# Altium PCB Surf5_R100.PcbDoc
Units mm, origin at the board's own origin, x right, y up, seen from the top; angles counter-clockwise.
Board outline 75 x 21 mm, 4 copper layers (Top Layer, Internal Plane 1 (Gnd), Internal Plane 2 (Vcc), Bottom Layer), stack 0.603 mm thick; 69 components, 77 nets, 316 pads, 145 vias.
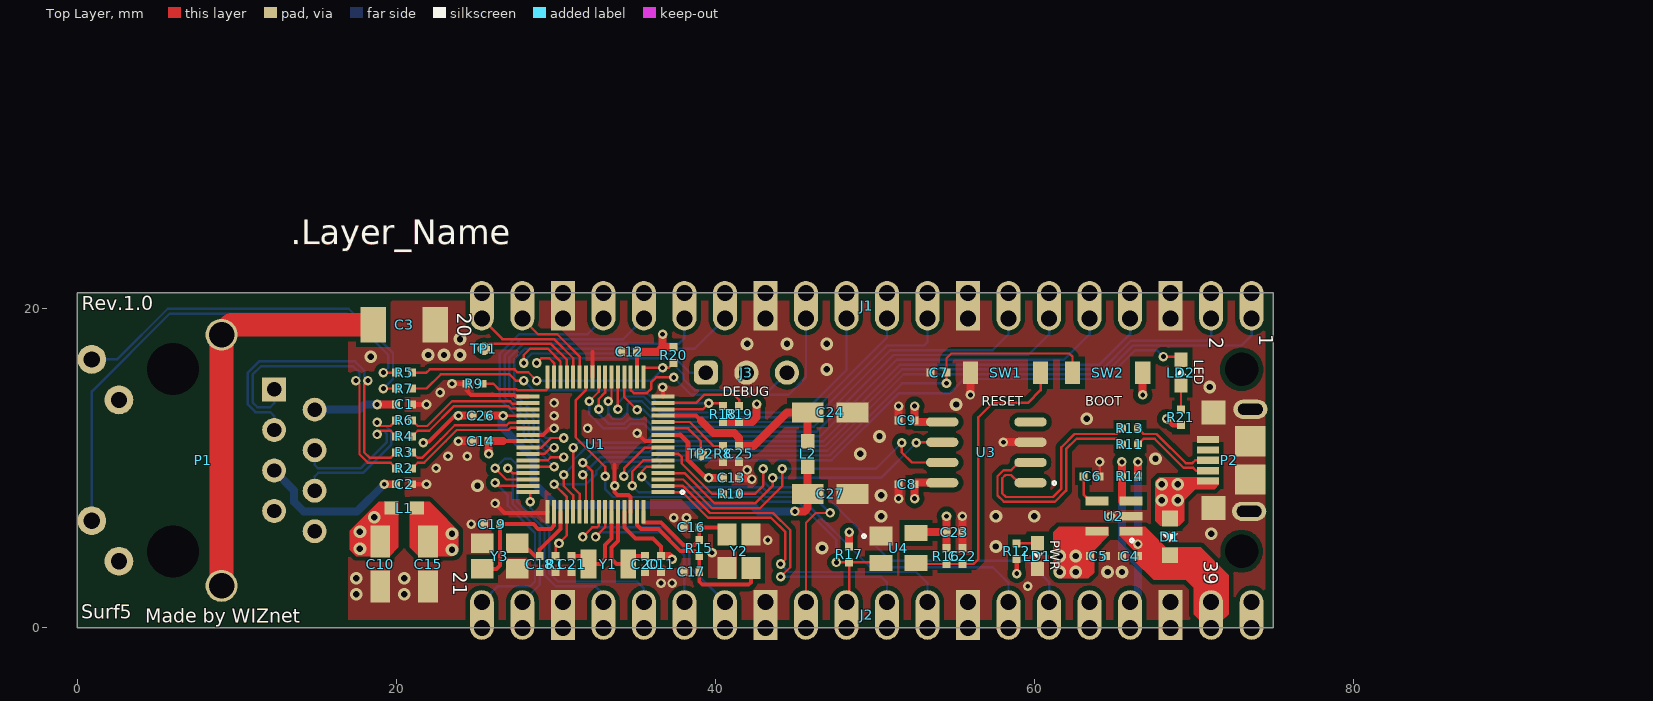
[diagram p0: Top Layer view]
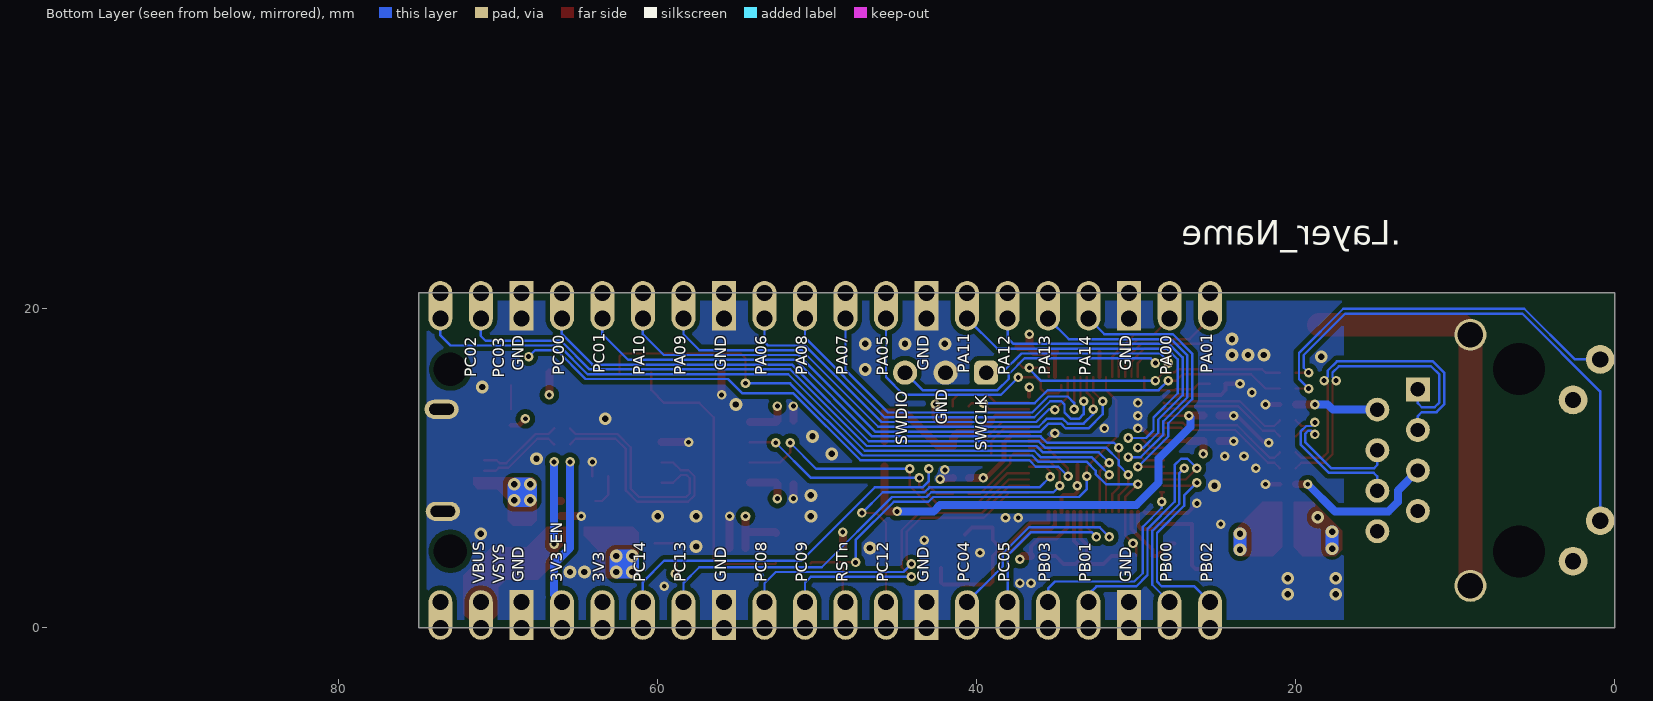
[diagram p1: Bottom Layer view, seen from below]
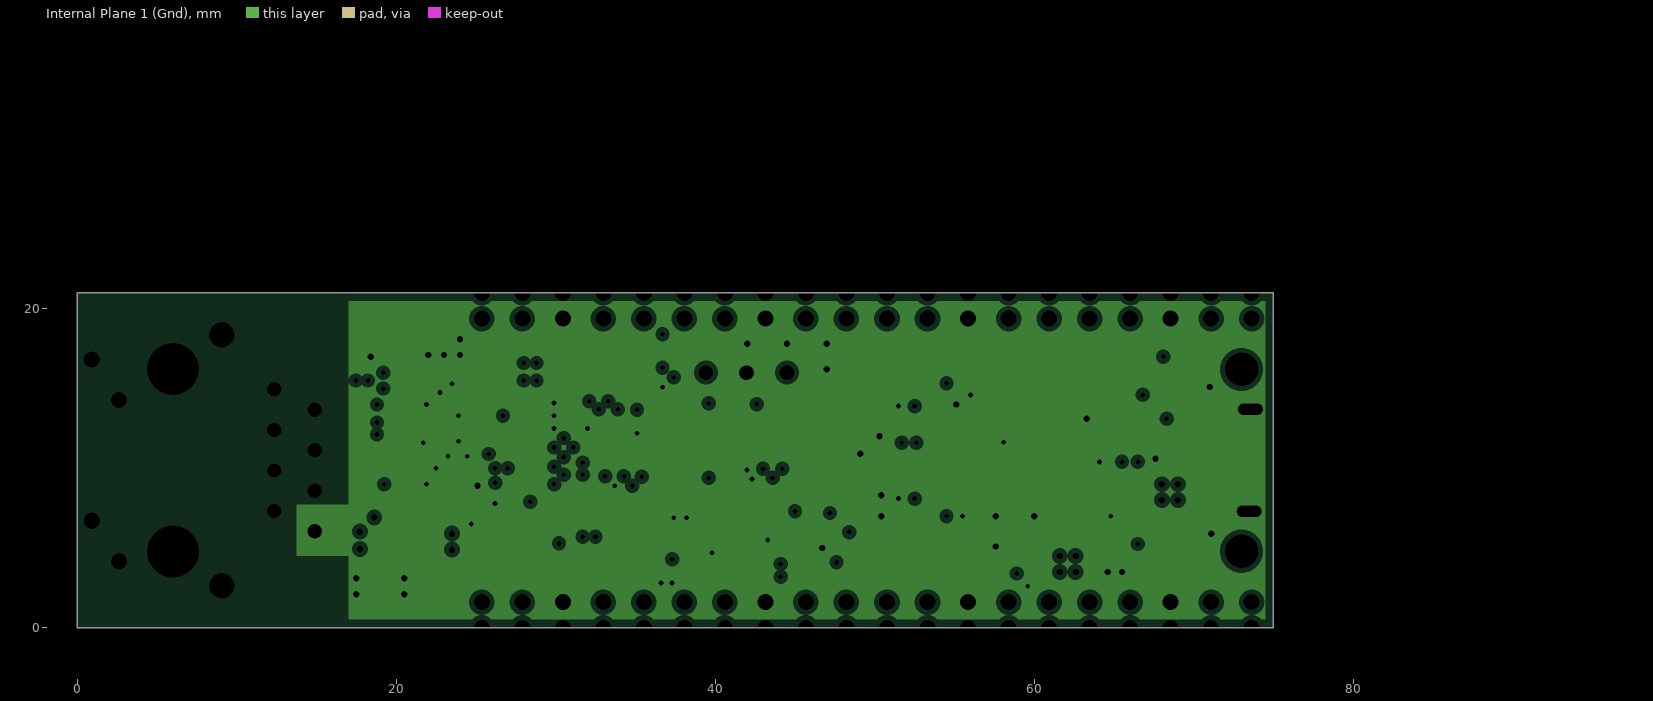
[diagram p2: Internal Plane 1 (Gnd), clearances drawn from the general rule]
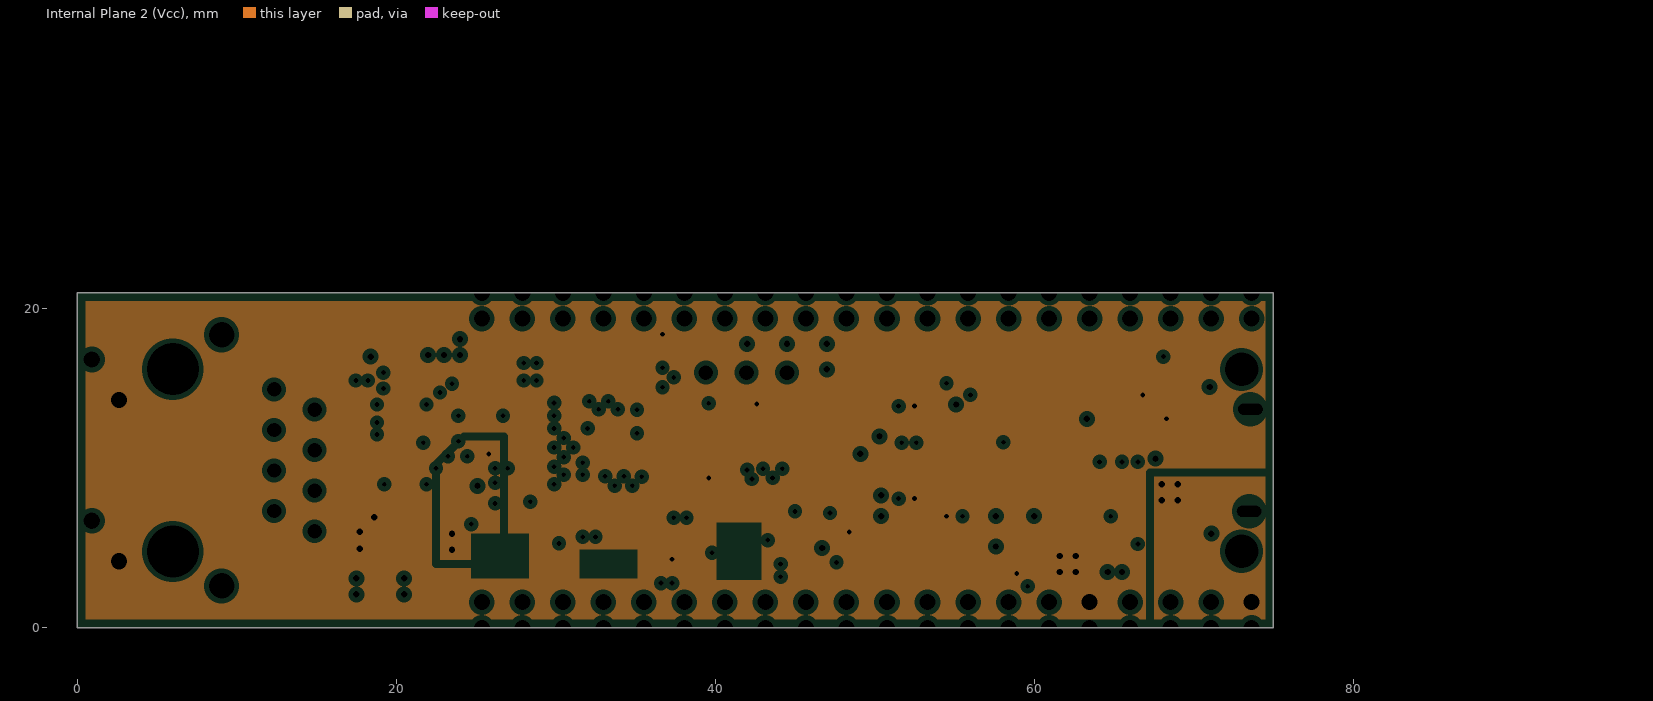
[diagram p3: Internal Plane 2 (Vcc), clearances drawn from the general rule]
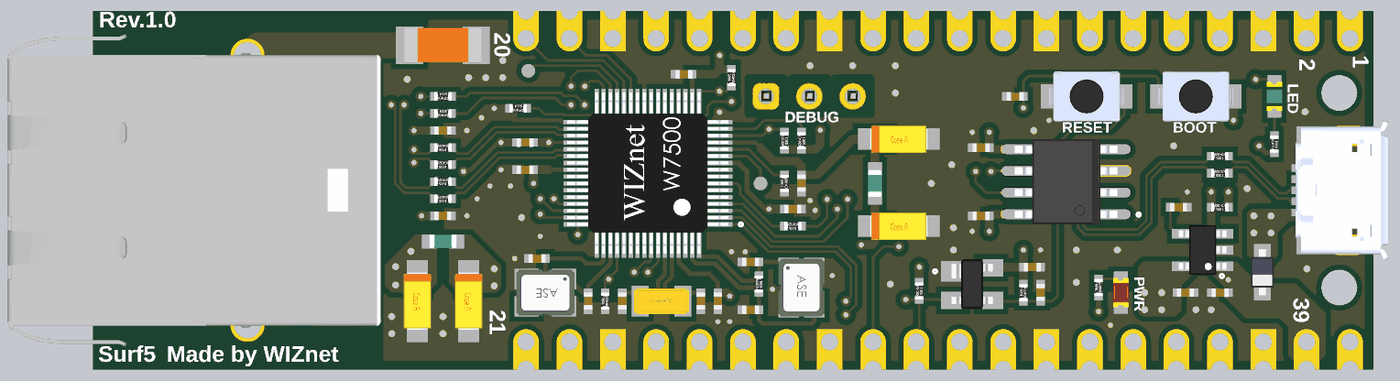
[diagram p4: 3D render of the assembled board from above, using the file's embedded part models]

## Layer stack, top to bottom
Top Solder: solder mask 0.0102, Solder Resist, Dk 3.5
Top Layer: signal copper 0.0356
Dielectric 1: prepreg 0.0711, PP-006, Dk 4.1
Internal Plane 1 (Gnd): plane copper 0.035, net GND
Dielectric1: prepreg 0.32, FR-4, Dk 4.8
Internal Plane 2 (Vcc): plane copper 0.035, net VDD_3.3V
Dielectric 2: prepreg 0.0711, PP-006, Dk 4.1
Bottom Layer: signal copper 0.0356
Bottom Solder: solder mask 0.0102, Solder Resist, Dk 3.5

## Board outline
0,0 75,0 75,21 0,21

## Design rules (kind name [scope] priority, off if disabled: settings)
BoardOutlineClearance [All] p1: gap=0.5 ignorepadtopadclearanceinfootprint=FALSE
Clearance [All] p1: gap=0.15 ignorepadtopadclearanceinfootprint=FALSE except(0.2: Arc-Hole Track-Hole SMDPad-Hole THPad-Hole Via-Hole Fill-Hole Poly-Hole Region-Hole Text-Hole; 0.3: Arc-Poly Track-Poly SMDPad-Poly THPad-Poly Via-Poly Fill-Poly Poly-Poly Poly-Region Poly-Text)
DiffPairsRouting [All] p1: maxlimit=0.15 minlimit=0.15 mostfreqgap=0.15 toplayer_minwidth=0.15 toplayer_maxwidth=0.15 toplayer_prefwidth=0.15 bottomlayer_minwidth=0.15 bottomlayer_maxwidth=0.15 bottomlayer_prefwidth=0.15 maxuncoupledlength=15.24
HoleSize [All] p1: absolutevalues=TRUE maxlimit=4.064 minlimit=0.025 maxpercent=80.000 minpercent=20.000
PlaneClearance [All] p1: clearance=0.3
PlaneConnect [All] p1: planeconnectstyle=Direct reliefexpansion=0.508 reliefentries=4 reliefconductorwidth=0.254 reliefairgap=0.254
PolygonConnect [All] p1: connectstyle=Direct reliefconductorwidth=0.6 reliefentries=4 polygonreliefangle="45 Angle" airgapwidth=0.35
RoutingVias [All] p1: holewidth=0.3 width=0.6 viastyle="Through Hole" minholewidth=0.25 minwidth=0.5 maxholewidth=0.5 maxwidth=0.8
SolderMaskExpansion [All] p1: expansion=0 istentingtop=FALSE
Width [All] p1: maxlimit=3 minlimit=0.1 preferedwidth=0.15
26 further rules are at their usual default settings.

## Classes and differential pairs
differential pair NewDifferentialPair1: +NetP2_2 -NetP2_3
differential pair USB_D: +USB_D_P -USB_D_N
differential pair MDI_T: +MDI_T_P -MDI_T_N
differential pair MDI_R: +MDI_R_P -MDI_R_N
differential pair MDI0_T: +MDI0_T_P -MDI0_T_N
differential pair MDI0_R: +MDI0_R_P -MDI0_R_N

## Components (designator, comment, footprint, x,y, rotation, side; value= is the part's Value field where it differs from the comment)
C1 "0.1uF" CAP-0402 20.5,14 r180 top
C2 "0.1uF" CAP-0402 20.5,9 r180 top
C3 "1nF/2kV" CAP-1808 20.5,19 r180 top
C4 "1uF" CAP-0402 66,4.5 r0 top
C5 "1uF" CAP-0402 64,4.5 r180 top
C6 "0.1uF" CAP-0402 63.6,9.5 r180 top
C7 "0.1uF" CAP-0402 54,16 r0 top
C8 "0.1uF" CAP-0402 52,9 r0 top
C9 "0.1uF" CAP-0402 52,13 r0 top
C10 "10uF/16V" "CAP-A SIZE" 19,4 r270 top
C11 "0.1uF" CAP-0402 36.6,4 r90 top
C12 "0.1uF" CAP-0402 34.6,17.3 r0 top
C13 "0.1uF" CAP-0402 41,9.4 r180 top
C14 "0.1uF" CAP-0402 25.3,11.7 r0 top
C15 "10uF/16V" "CAP-A SIZE" 22,4 r270 top
C16 "30pF" CAP-0402 38.5,6.3 r0 top
C17 "30pF" CAP-0402 38.5,3.5 r0 top
C18 "27pF" CAP-0402 29,4 r90 top
C19 "27pF" CAP-0402 26,6.5 r0 top
C20 "NC" CAP-0402 35.6,4 r90 top
C21 "NC" CAP-0402 31,4 r90 top
C22 "0.1uF" CAP-0402 55.5,4.5 r90 top
C23 "0.1uF" CAP-0402 55,6 r0 top
C24 "10uF/16V" "CAP-A SIZE" 47.2,13.5 r0 top
C25 "0.1uF" CAP-0402 41.5,10.9 r90 top
C26 "0.1uF" CAP-0402 25.3,13.3 r0 top
C27 "10uF/16V" "CAP-A SIZE" 47.2,8.4 r0 top
D1 "BAT60A" SOD-323(1-C,2-A) 68.5,5.7 r90 top
J1 "2.54mm 1x20 Pin Header DIP" IDC-1X20 73.63,19.39 r180 top locked
J2 "2.54mm 1x20 Pin Header DIP" IDC-1X20 25.37,1.61 r0 top locked
J3 "2.54mm 1x3 Pin Header DIP" IDC-1X3 39.42,16 r0 top
L1 "HH-1M1608-121JT" IND-0603 20.5,7.5 r0 top
L2 "HH-1M1608-121JT" IND-0603 45.8,10.9 r270 top
LD1 "Red" LED-0603-RED 60.2,4.5 r270 top locked
LD2 "Green" LED-0603-GREEN 69.2,16 r90 top locked
P1 "J1B1211CCD" RJ45-J1B1211CCD -1.8,10.5 r270 top locked
P2 "Micro USB" "MICRO 5P B DBX 6.4" 75,10.5 r180 top locked
R1 "4.7K" RES-0402 30,4 r90 top
R2 "3.3R" RES-0402 20.5,10 r180 top
R3 "3.3R" RES-0402 20.5,11 r180 top
R4 "3.3R" RES-0402 20.5,12 r180 top
R5 "330R" RES-0402 20.5,16 r0 top
R6 "3.3R" RES-0402 20.5,13 r180 top
R7 "330R" RES-0402 20.5,15 r0 top
R8 "4.7K" RES-0402 40.5,10.9 r90 top
R9 "6.19K/1%" RES-0402 24.9,15.3 r0 top
R10 "NC" RES-0402 41,8.4 r180 top
R11 "1R" RES-0402 66,11.5 r180 top
R12 "470R" RES-0402 58.9,4.8 r90 top
R13 "1R" RES-0402 66,12.5 r180 top
R14 "100K" RES-0402 66,9.5 r180 top
R15 "1M" RES-0402 39,5 r270 top
R16 "4.7K" RES-0402 54.5,4.5 r90 top
R17 "4.7K" RES-0402 48.4,4.6 r270 top
R18 "5.1K" RES-0402 40.5,13.4 r270 top
R19 "5.1K" RES-0402 41.5,13.4 r270 top
R20 "5.1K" RES-0402 37.4,17.1 r90 top
R21 "330R" RES-0402 69.2,13.2 r270 top
SW1 "PTS820" 1185A 58.2,16 r0 top locked
SW2 "PTS820" 1185A 64.6,16 r180 top locked
TP1 "TPS" TPS 25.5,17.5 r90 top
TP2 "TPS" TPS 39.1,10.9 r90 top
U1 "W7500P" W7500-LQFP64 32.5,11.5 r180 top
U2 "LM8805SF5-33V" SOT-23-5L 65,7 r180 top
U3 "USB to Uart" CH340N 57,11 r90 top
U4 "MIC811SUY" SOT-143 51.5,5 r270 top
Y1 "32.768KHZ / NC" 3215_XTAL 33.3,4 r180 top
Y2 "12MHz" OSC-TZ1067B 41.5,4.8 r270 top
Y3 "25MHz" OSC-82J0626 26.5,4.5 r180 top

## Footprints (in the part's own frame and the unit in brackets; to place one, negate y for a bottom-side part, rotate by r counter-clockwise, add the part's x,y. Pads: shape width x height; smd on the part's side, far side on the other; paste and mask are expansions set on the pad)
1185A [mm]
  rect 0.95x1.4 smd: 1(-2.2,0) 2(2.2,0)
  body extent -2.18,-1.45 2.18,1.45, height 1.7
3215_XTAL [mm]
  rect 1x1.8 smd paste+0 mask+0: 1(-1.25,0) 2(1.25,0)
  body extent -1.6,-0.75 1.6,0.75, height 0.9
CAP-0402 [mm]
  rect 0.5x0.5 smd: 1(-0.5,0) 2(0.5,0)
  body extent -0.48,-0.25 0.52,0.25, height 0.6
CAP-1808 [mm] "Ceramic CAP 1808(4520)"
  rect 1.6x2.2 smd: 1(-1.95,0) 2(1.95,0)
  body extent -2.25,-1.02 2.25,1.01, height 2
"CAP-A SIZE" [mm] "Tantal CAP A Size EIA/IECQ 3216"
  rect 2x1.25 smd: 1(-1.4,0) 2(1.4,0)
  body extent -1.7,-0.8 1.7,0.8, height 1.75
CH340N [mm]
  oval 0.574x2.036 smd paste+0 mask+0.051: 1(-1.905,-2.768) 2(-0.635,-2.768) 3(0.635,-2.768) 4(1.905,-2.768) 5(1.905,2.768) 6(0.635,2.768) 7(-0.635,2.768) 8(-1.905,2.768)
  body extent -2.5,-3.01 2.5,3.01, height 1.75
IDC-1X3 [mil]
  rrect50% 60x60 hole 36: 1(0,0)
  round 60 hole 36: 2(100,0) 3(200,0)
  body extent -49,-49 251,51, height 336
IDC-1X20 [mm]
  oval 1.5x2.5 hole 1 copper offset 0,-0.5: 1(0,0) 2(2.54,0) 4(7.62,0) 5(10.16,0) 6(12.7,0) 7(15.24,0) 9(20.32,0) 10(22.86,0) 11(25.4,0) 12(27.94,0) 14(33.02,0) 15(35.56,0) 16(38.1,0) 17(40.64,0) 19(45.72,0) 20(48.26,0)
  oval 1.5x2.5 hole 1 copper offset 0,0.5: 1(0,-1.61) 2(2.54,-1.61) 4(7.62,-1.61) 5(10.16,-1.61) 6(12.7,-1.61) 7(15.24,-1.61) 9(20.32,-1.61) 10(22.86,-1.61) 11(25.4,-1.61) 12(27.94,-1.61) 14(33.02,-1.61) 15(35.56,-1.61) 16(38.1,-1.61) 17(40.64,-1.61) 19(45.72,-1.61) 20(48.26,-1.61)
  rect 1.5x2.5 hole 1 copper offset 0,0.5: 3(5.08,-1.61) 8(17.78,-1.61) 13(30.48,-1.61) 18(43.18,-1.61)
  rect 1.5x2.5 hole 1 copper offset 0,-0.5: 3(5.08,0) 8(17.78,0) 13(30.48,0) 18(43.18,0)
IND-0603 [mm] "Inductor 0603(1608)"
  rect 0.89x0.82 smd: 1(-0.8,0) 2(0.8,0)
  body extent -0.8,-0.4 0.8,0.4, height 0.95
LED-0603-GREEN [mm] "LED-0603-GREEN"
  rect 0.89x0.82 smd: 1(-0.8,0) 2(0.8,0)
  body extent -0.85,-0.45 0.85,0.45, height 0.9
LED-0603-RED [mm] "LED-0603-RED"
  rect 0.89x0.82 smd: 1(-0.8,0) 2(0.8,0)
  body extent -0.85,-0.45 0.85,0.45, height 0.9
"MICRO 5P B DBX 6.4" [mm]
  rect 1.38x0.45 smd: 1(4.11,1.3) 2(4.11,0.65) 3(4.11,0) 4(4.11,-0.65) 5(4.11,-1.3)
  oval 2.15x1.2 hole 0.7 slot 1.55 at 0 deg: 6(1.524,3.2) 7(1.45,-3.2)
  rect 1.9x1.9 smd: 8(1.45,1.2) 9(1.45,-1.2)
  rect 1.5x1.5 smd: 10(3.75,-3) 11(3.75,3)
  body extent -0.88,-4.1 4.55,4.1, height 2.68
OSC-82J0626 [mm]
  rect 1.4x1.2 smd: 1(-1.1,-0.8) 2(1.1,-0.8) 3(1.1,0.8) 4(-1.1,0.8)
  body extent -1.7,-1.35 1.7,1.35, height 1.06
OSC-TZ1067B [mm]
  rect 1.4x1.2 smd: 1(-1.05,-0.75) 2(1.05,-0.75) 3(1.05,0.75) 4(-1.05,0.75)
  body extent -1.7,-1.35 1.7,1.35, height 1.06
RES-0402 [mm]
  rect 0.5x0.5 smd: 1(-0.5,0) 2(0.5,0)
  body extent -0.5,-0.25 0.5,0.25, height 0.35
RJ45-J1B1211CCD [mm]
  rect 1.5x1.5 hole 0.9: 1(-4.445,14.15)
  round 1.5 hole 0.9: 2(-3.175,16.69) 3(-1.905,14.15) 4(-0.635,16.69) 5(0.635,14.15) 6(1.905,16.69) 7(3.175,14.15) 8(4.445,16.69)
  round 1.8 hole 1.02: 9(-6.325,2.72) 10(-3.785,4.42) 11(3.785,2.72) 12(6.325,4.42)
  round 2 hole 1.6: S1(-7.875,10.85) S2(7.875,10.85)
  round 1.8 hole 3.25: ""(-5.715,7.8) ""(5.715,7.8)
  body extent -9.16,-3.2 9.16,18.64, height 15.09
SOD-323(1-C,2-A) [mm]
  rect 1x1 smd: 1(-1.15,0) 2(1.15,0)
  body extent -1.35,-0.67 1.35,0.68, height 0.79
SOT-23-5L [mm]
  rect 1.45x0.55 smd: 1(-1.075,0.95) 2(-1.075,0) 3(-1.075,-0.95) 4(1.075,-0.95) 5(1.075,0.95)
  body extent -1.4,-1.45 1.4,1.45, height 1.45
SOT-143 [mm]
  rect 1.2x1.44 smd: 1(-0.75,-1.1)
  rect 1x1.44 smd: 2(0.95,-1.1) 3(0.95,1.1) 4(-0.95,1.1)
  body extent -1.46,-1.21 1.46,1.21, height 1
TPS [mm]
  round 0.8 smd: 1(0,0)
W7500-LQFP64 [mm] "WIZnet ARM Cortex-M0, LQFP64, Pitch 0.40mm"
  rect 1.45x0.25 smd: 1(-4.225,3) 2(-4.225,2.6) 3(-4.225,2.2) 4(-4.225,1.8) 5(-4.225,1.4) 6(-4.225,1) 7(-4.225,0.6) 8(-4.225,0.2) 9(-4.225,-0.2) 10(-4.225,-0.6) 11(-4.225,-1) 12(-4.225,-1.4) 13(-4.225,-1.8) 14(-4.225,-2.2) 15(-4.225,-2.6) 16(-4.225,-3) 33(4.225,-3) 34(4.225,-2.6) 35(4.225,-2.2) 36(4.225,-1.8) 37(4.225,-1.4) 38(4.225,-1) 39(4.225,-0.6) 40(4.225,-0.2) 41(4.225,0.2) 42(4.225,0.6) 43(4.225,1) 44(4.225,1.4) 45(4.225,1.8) 46(4.225,2.2) 47(4.225,2.6) 48(4.225,3)
  rect 0.25x1.45 smd: 17(-3,-4.225) 18(-2.6,-4.225) 19(-2.2,-4.225) 20(-1.8,-4.225) 21(-1.4,-4.225) 22(-1,-4.225) 23(-0.6,-4.225) 24(-0.2,-4.225) 25(0.2,-4.225) 26(0.6,-4.225) 27(1,-4.225) 28(1.4,-4.225) 29(1.8,-4.225) 30(2.2,-4.225) 31(2.6,-4.225) 32(3,-4.225) 49(3,4.225) 50(2.6,4.225) 51(2.2,4.225) 52(1.8,4.225) 53(1.4,4.225) 54(1,4.225) 55(0.6,4.225) 56(0.2,4.225) 57(-0.2,4.225) 58(-0.6,4.225) 59(-1,4.225) 60(-1.4,4.225) 61(-1.8,4.225) 62(-2.2,4.225) 63(-2.6,4.225) 64(-3,4.225)
  body extent -4.73,-4.74 4.73,4.72, height 1

## Part data
C1 C2 C4 C5 C6 C7 C8 C9 C11 C12 C13 C14 C16 C17 C18 C19 C20 C21 C22 C23 C25 C26: library part CAP-0402, "Ceramic CAP 0402(1005)"
C3: library part CAP-1808, "Ceramic CAP 1808(4520)"
C10 C15 C24 C27: library part "CAP-A Size", "Tantla CAP A Size EIA/IECQ 3216"
D1: library part DIODE-BAT60A, "Silicon Schottky Diode"
L1 L2: library part IND-0603, "Inductor 0603(1608)"
LD1 LD2: library part LED-0603, "LED-0603"
P2: library part "Micro USB 5P DBX6.4", "Micro USB B Connector SMD"
R1 R2 R3 R4 R5 R6 R7 R8 R9 R10 R11 R12 R13 R14 R15 R16 R17 R18 R19 R20 R21: library part RES-0402, "RES-0402"
SW1 SW2: library part ITS-1107(SMD), "TACT Switch (SMD)"
TP1 TP2: "Test_point", Contact Resistance=20mOhm, Manufacturer="Wurth Elektronik", Operating Temperature=-40to105degC, Package Reference=61300211121, Rated Current=3A, Withstanding Voltage=500VAC, Working Voltage=250VAC, Datasheet URL=https://katalog.we-online.de/em/datasheet/6130xx11121.pdf, Gender=Male, Manufacturer URL=http://www.we-online.de, Mounting Technology=THT, Orientation=Vertical, Packaging=Bag, Part Number=61300211121, Pin Number=2, Pitch=2.54mm, Publisher=WurthElektronik, Row Number=Single
U1: "WIZnet ARM Cortex-M0, Add PHY"
U2: "600mA CMOS LDO Regulator"
U3: library part CH340N
U4: "Microprocessor Reset Circuits"
Y1: library part "XTAL 3215", "CRYSTAL 32.7680KHZ 6PF SMD", Case/Package=SMD/SMT, ESR (Equivalent Series Resistance)=55kR, Frequency=32.768kHz, Frequency Tolerance=20ppm, Load Capacitance=6pF, Max Operating Temperature=85°C, Min Operating Temperature=-40°C, Operating Frequency="32.768 kHz", Package Quantity=3000, Series Resistance=60kR, Depth=1.5mm, Height=0.035inch, Lead Free="Lead Free", Length=3.2mm, Mount="Surface Mount", Number of Pins=2, Packaging="Tape and Reel", Radiation Hardening=No, REACH SVHC="No SVHC", RoHS Compliant=Yes, Series=ABS07, Termination=SMD/SMT, Tolerance=20ppm, Width=0.061inch
Y2: library part OSC-TZ1067B-12MHz, "X-tal 12MHz,3.2x2.5 SMD, CL=20pF"
Y3: library part OSC-82J0626-25MHz, "X-tal 25MHz,3.2x2.5 SMD, CL=18pF"

## Free pads (board coordinates)
  round 0 hole 2.1 unplated: 0(73,4.8) 0(73,16.2)
  round 0 on Mech16 paste+0 mask+0: 1(96.4,35.9)
